# KiCad board ZakladniElektronika.kicad_pcb
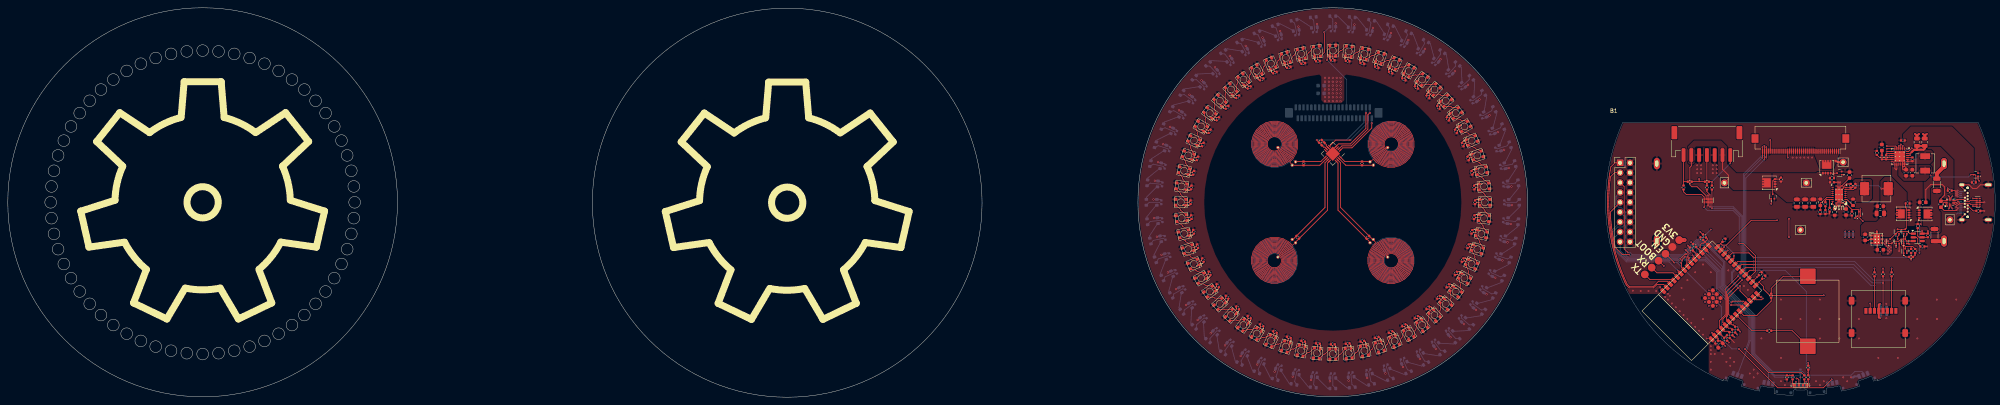
[diagram p0: board, top side]
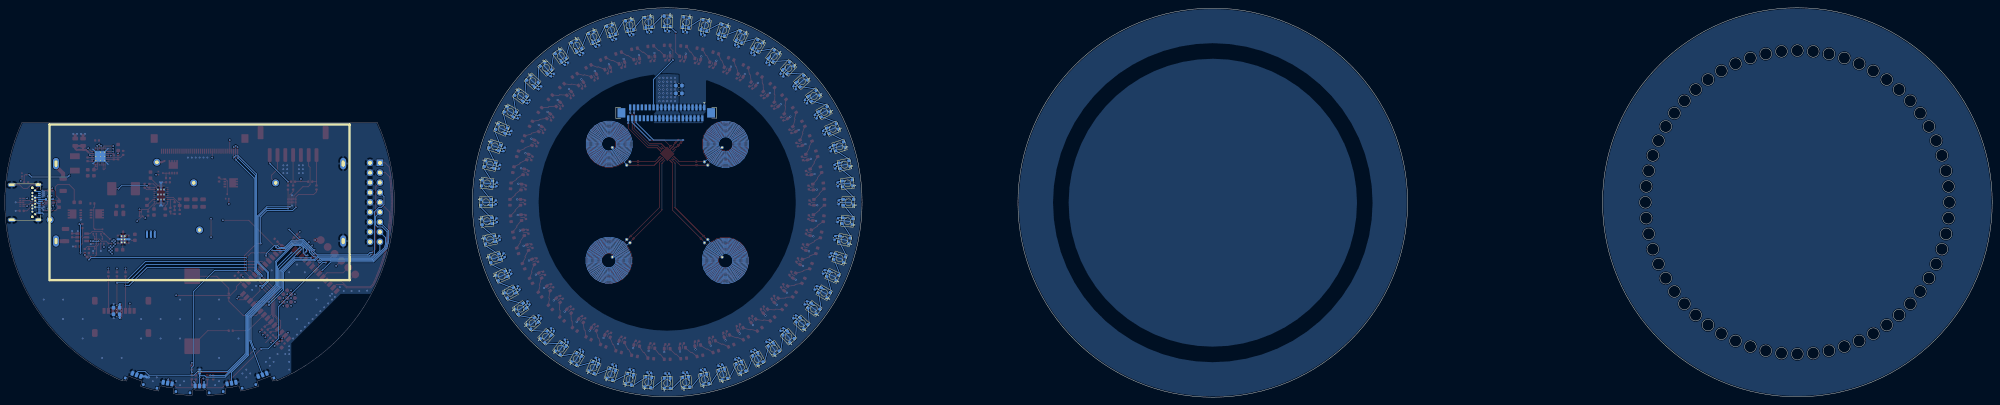
[diagram p1: board, bottom side, seen from below]

Outline 510 x 100.1 mm; copper layers: Top, In1.Cu, In2.Cu, Bottom. Coordinates in mm from the lower left corner of the outline.
Outline path: circle c11,50.1 r1.5 ; circle c11.21,54.18 r1.5 ; circle c11.21,46.02 r1.5 ; circle c11.85,58.21 r1.5 ; circle c11.85,41.99 r1.5 ; circle c12.91,62.15 r1.5 ; circle c12.91,38.05 r1.5 ; circle c14.37,65.96 r1.5 ; circle c14.37,34.24 r1.5 ; circle c16.23,69.6 r1.5 ; circle c16.23,30.6 r1.5 ; circle c18.45,73.02 r1.5 ; circle c18.45,27.18 r1.5 ; circle c21.02,76.2 r1.5 ; circle c21.02,24 r1.5 ; circle c23.9,79.08 r1.5 ; circle c23.9,21.12 r1.5 ; circle c27.08,81.65 r1.5 ; circle c27.08,18.55 r1.5 ; circle c30.5,83.87 r1.5 ; circle c30.5,16.33 r1.5 ; circle c34.14,85.73 r1.5 ; circle c34.14,14.47 r1.5 ; circle c37.95,87.19 r1.5 ; circle c37.95,13.01 r1.5 ; circle c41.89,88.25 r1.5 ; circle c41.89,11.95 r1.5 ; circle c45.92,88.89 r1.5 ; circle c45.92,11.31 r1.5 ; circle c50,89.1 r1.5 ; circle c50,50.1 r50 ; circle c50,11.1 r1.5 ; circle c54.08,88.89 r1.5 ; circle c54.08,11.31 r1.5 ; circle c58.11,88.25 r1.5 ; circle c58.11,11.95 r1.5 ; circle c62.05,87.19 r1.5 ; circle c62.05,13.01 r1.5 ; circle c65.86,85.73 r1.5 ; circle c65.86,14.47 r1.5 ; circle c69.5,83.87 r1.5 ; circle c69.5,16.33 r1.5 ; circle c72.92,81.65 r1.5 ; circle c72.92,18.55 r1.5 ; circle c76.1,79.08 r1.5 ; circle c76.1,21.12 r1.5 ; circle c78.98,76.2 r1.5 ; circle c78.98,24 r1.5 ; circle c81.55,73.02 r1.5 ; circle c81.55,27.18 r1.5 ; circle c83.77,69.6 r1.5 ; circle c83.77,30.6 r1.5 ; circle c85.63,65.96 r1.5 ; circle c85.63,34.24 r1.5 ; circle c87.09,62.15 r1.5 ; circle c87.09,38.05 r1.5 ; circle c88.15,58.21 r1.5 ; circle c88.15,41.99 r1.5 ; circle c88.79,54.18 r1.5 ; circle c88.79,46.02 r1.5 ; circle c89,50.1 r1.5 ; circle c200,50 r50 ; circle c340,50.1 r50 ; 440.22,4.52 440.11,4.23 arc(413.36,32.09) 414.44,70.7 505.56,70.7 arc(506.64,32.09) 479.89,4.23 479.78,4.52 ; 448.43,1.77 arc(447.14,2.1) 445.85,2.47 ; 457,0.5 arc(455.67,0.6) 454.34,0.73 ; 465.66,0.73 arc(464.33,0.6) 463,0.5 ; 474.15,2.47 arc(472.86,2.1) 471.57,1.77
Stack: Top 0.035mm / dielectric 0.1mm FR4 er 4.5 / In1.Cu 0.035mm / dielectric 1.24mm FR4 er 4.5 / In2.Cu 0.035mm / dielectric 0.1mm FR4 er 4.5 / Bottom 0.035mm

## Placement (name value [footprint] x y rotation side)
B1  HlavniDeska  [Board]  414.5 70.7 0 top
B2  LedDeska  [Board]  340 100.1 0 top
BZ1  Buzzer  [ELKS-PIEZO]  461.9 22.1 270 top
C1  10u  [C_0603_1608Metric]  337 80.1 0 bottom
C2  10u  [C_0603_1608Metric]  337 78.1 0 bottom
C3  1u  [C_0402_1005Metric]  336.83 65.77 45 top
C4  100n  [C_0402_1005Metric]  337.5 65.1 45 top
C5  1u  [C_0402_1005Metric]  486.3 66 180 top
C6  47n  [C_0402_1005Metric]  488.75 61.15 90 top
C7  4.7u  [C_0603_1608Metric]  480.9 64.17 90 top
C8  1000p  [C_0402_1005Metric]  332.5 60.1 270 top
C9  1000p  [C_0402_1005Metric]  331 41.1 315 top
C10  1000p  [C_0402_1005Metric]  349 41.1 45 top
C11  1000p  [C_0402_1005Metric]  347.5 60.1 90 top
C12  100n  [C_0402_1005Metric]  340 86.6 0 top
C13  100n  [C_0402_1005Metric]  343.82 86.4 354 top
C14  100n  [C_0402_1005Metric]  347.59 85.8 348 top
C15  100n  [C_0402_1005Metric]  351.28 84.81 342 top
C16  100n  [C_0402_1005Metric]  354.85 83.44 336 top
C17  100n  [C_0402_1005Metric]  358.25 81.71 330 top
C18  100n  [C_0402_1005Metric]  361.45 79.63 324 top
C19  100n  [C_0402_1005Metric]  364.42 77.22 318 top
C20  100n  [C_0402_1005Metric]  367.12 74.52 312 top
C21  100n  [C_0402_1005Metric]  369.53 71.55 306 top
C22  100n  [C_0402_1005Metric]  371.61 68.35 300 top
C23  100n  [C_0402_1005Metric]  373.34 64.95 294 top
C24  100n  [C_0402_1005Metric]  374.71 61.38 288 top
C25  100n  [C_0402_1005Metric]  375.7 57.69 282 top
C26  100n  [C_0402_1005Metric]  376.3 53.92 276 top
C27  100n  [C_0402_1005Metric]  376.5 50.1 270 top
C28  100n  [C_0402_1005Metric]  376.3 46.28 264 top
C29  100n  [C_0402_1005Metric]  375.7 42.51 258 top
C30  100n  [C_0402_1005Metric]  374.71 38.82 252 top
C31  100n  [C_0402_1005Metric]  373.34 35.25 246 top
C32  100n  [C_0402_1005Metric]  371.61 31.85 240 top
C33  100n  [C_0402_1005Metric]  369.53 28.65 234 top
C34  100n  [C_0402_1005Metric]  367.12 25.68 228 top
C35  100n  [C_0402_1005Metric]  364.42 22.98 222 top
C36  100n  [C_0402_1005Metric]  361.45 20.57 216 top
C37  100n  [C_0402_1005Metric]  358.25 18.49 210 top
C38  100n  [C_0402_1005Metric]  354.85 16.76 204 top
C39  100n  [C_0402_1005Metric]  351.28 15.39 198 top
C40  100n  [C_0402_1005Metric]  347.59 14.4 192 top
C41  100n  [C_0402_1005Metric]  343.82 13.8 186 top
C42  100n  [C_0402_1005Metric]  340 13.6 180 top
C43  100n  [C_0402_1005Metric]  336.18 13.8 174 top
C44  100n  [C_0402_1005Metric]  332.41 14.4 168 top
C45  100n  [C_0402_1005Metric]  328.72 15.39 162 top
C46  100n  [C_0402_1005Metric]  325.15 16.76 156 top
C47  100n  [C_0402_1005Metric]  321.75 18.49 150 top
C48  100n  [C_0402_1005Metric]  318.55 20.57 144 top
C49  100n  [C_0402_1005Metric]  315.58 22.98 138 top
C50  100n  [C_0402_1005Metric]  312.88 25.68 132 top
C51  100n  [C_0402_1005Metric]  310.47 28.65 126 top
C52  100n  [C_0402_1005Metric]  308.39 31.85 120 top
C53  100n  [C_0402_1005Metric]  306.66 35.25 114 top
C54  100n  [C_0402_1005Metric]  305.29 38.82 108 top
C55  100n  [C_0402_1005Metric]  304.3 42.51 102 top
C56  100n  [C_0402_1005Metric]  303.7 46.28 96 top
C57  100n  [C_0402_1005Metric]  303.5 50.1 90 top
C58  100n  [C_0402_1005Metric]  303.7 53.92 84 top
C59  100n  [C_0402_1005Metric]  304.3 57.69 78 top
C60  100n  [C_0402_1005Metric]  305.29 61.38 72 top
C61  100n  [C_0402_1005Metric]  306.66 64.95 66 top
C62  100n  [C_0402_1005Metric]  308.39 68.35 60 top
C63  100n  [C_0402_1005Metric]  310.47 71.55 54 top
C64  100n  [C_0402_1005Metric]  312.88 74.52 48 top
C65  100n  [C_0402_1005Metric]  315.58 77.22 42 top
C66  100n  [C_0402_1005Metric]  318.55 79.63 36 top
C67  100n  [C_0402_1005Metric]  321.75 81.71 30 top
C68  100n  [C_0402_1005Metric]  325.15 83.44 24 top
C69  100n  [C_0402_1005Metric]  328.72 84.81 18 top
C70  100n  [C_0402_1005Metric]  332.41 85.8 12 top
C71  100n  [C_0402_1005Metric]  336.18 86.4 6 top
C72  100n  [C_0402_1005Metric]  340 94.1 0 bottom
C73  100n  [C_0402_1005Metric]  344.6 93.86 354 bottom
C74  100n  [C_0402_1005Metric]  349.15 93.14 348 bottom
C75  100n  [C_0402_1005Metric]  353.6 91.95 342 bottom
C76  100n  [C_0402_1005Metric]  357.9 90.3 336 bottom
C77  100n  [C_0402_1005Metric]  362 88.21 330 bottom
C78  100n  [C_0402_1005Metric]  365.86 85.7 324 bottom
C79  100n  [C_0402_1005Metric]  369.44 82.8 318 bottom
C80  100n  [C_0402_1005Metric]  372.7 79.54 312 bottom
C81  100n  [C_0402_1005Metric]  375.6 75.96 306 bottom
C82  100n  [C_0402_1005Metric]  378.11 72.1 300 bottom
C83  100n  [C_0402_1005Metric]  380.2 68 294 bottom
C84  100n  [C_0402_1005Metric]  381.85 63.7 288 bottom
C85  100n  [C_0402_1005Metric]  383.04 59.25 282 bottom
C86  100n  [C_0402_1005Metric]  383.76 54.7 276 bottom
C87  100n  [C_0402_1005Metric]  384 50.1 270 bottom
C88  100n  [C_0402_1005Metric]  383.76 45.5 264 bottom
C89  100n  [C_0402_1005Metric]  383.04 40.95 258 bottom
C90  100n  [C_0402_1005Metric]  381.85 36.5 252 bottom
C91  100n  [C_0402_1005Metric]  380.2 32.2 246 bottom
C92  100n  [C_0402_1005Metric]  378.11 28.1 240 bottom
C93  100n  [C_0402_1005Metric]  375.6 24.24 234 bottom
C94  100n  [C_0402_1005Metric]  372.7 20.66 228 bottom
C95  100n  [C_0402_1005Metric]  369.44 17.4 222 bottom
C96  100n  [C_0402_1005Metric]  365.86 14.5 216 bottom
C97  100n  [C_0402_1005Metric]  362 11.99 210 bottom
C98  100n  [C_0402_1005Metric]  357.9 9.9 204 bottom
C99  100n  [C_0402_1005Metric]  353.6 8.25 198 bottom
C100  100n  [C_0402_1005Metric]  349.15 7.06 192 bottom
C101  100n  [C_0402_1005Metric]  344.6 6.34 186 bottom
C102  100n  [C_0402_1005Metric]  340 6.1 180 bottom
C103  100n  [C_0402_1005Metric]  335.4 6.34 174 bottom
C104  100n  [C_0402_1005Metric]  330.85 7.06 168 bottom
C105  100n  [C_0402_1005Metric]  326.4 8.25 162 bottom
C106  100n  [C_0402_1005Metric]  322.1 9.9 156 bottom
C107  100n  [C_0402_1005Metric]  318 11.99 150 bottom
C108  100n  [C_0402_1005Metric]  314.14 14.5 144 bottom
C109  100n  [C_0402_1005Metric]  310.56 17.4 138 bottom
C110  100n  [C_0402_1005Metric]  307.3 20.66 132 bottom
C111  100n  [C_0402_1005Metric]  304.4 24.24 126 bottom
C112  100n  [C_0402_1005Metric]  301.89 28.1 120 bottom
C113  100n  [C_0402_1005Metric]  299.8 32.2 114 bottom
C114  100n  [C_0402_1005Metric]  298.15 36.5 108 bottom
C115  100n  [C_0402_1005Metric]  296.96 40.95 102 bottom
C116  100n  [C_0402_1005Metric]  296.24 45.5 96 bottom
C117  100n  [C_0402_1005Metric]  296 50.1 90 bottom
C118  100n  [C_0402_1005Metric]  296.24 54.7 84 bottom
C119  100n  [C_0402_1005Metric]  296.96 59.25 78 bottom
C120  100n  [C_0402_1005Metric]  298.15 63.7 72 bottom
C121  100n  [C_0402_1005Metric]  299.8 68 66 bottom
C122  100n  [C_0402_1005Metric]  301.89 72.1 60 bottom
C123  100n  [C_0402_1005Metric]  304.4 75.96 54 bottom
C124  100n  [C_0402_1005Metric]  307.3 79.54 48 bottom
C125  100n  [C_0402_1005Metric]  310.56 82.8 42 bottom
C126  100n  [C_0402_1005Metric]  314.14 85.7 36 bottom
C127  100n  [C_0402_1005Metric]  318 88.21 30 bottom
C128  100n  [C_0402_1005Metric]  322.1 90.3 24 bottom
C129  100n  [C_0402_1005Metric]  326.4 91.95 18 bottom
C130  100n  [C_0402_1005Metric]  330.85 93.14 12 bottom
C131  100n  [C_0402_1005Metric]  335.4 93.86 6 bottom
C132  1u  [C_0402_1005Metric]  434.69 40.75 135 top
C133  1u  [C_0402_1005Metric]  441.49 15.6 315 top
C134  10u  [C_0603_1608Metric]  439.49 13.31 45 top
C135  100n  [C_0402_1005Metric]  438.52 14.15 45 top
C136  10uF  [C_0603_1608Metric]  481.3 23 0 bottom
C137  10uF  [C_0603_1608Metric]  481.3 21.35 0 bottom
C142  22u  [C_0805_2012Metric]  480.5 47.25 180 top
C143  10u  [C_0603_1608Metric]  480.5 49.1 180 top
C144  100n  [C_0402_1005Metric]  492.7 41.6 90 top
C145  4.7u  [C_0603_1608Metric]  476.6 41.1 270 top
C146  100n  [C_0402_1005Metric]  472.9 54.35 90 top
C147  22u  [C_0805_2012Metric]  489.9 65.55 90 top
C148  100n  [C_0402_1005Metric]  474.1 54.35 270 top
C149  1u  [C_0402_1005Metric]  468.1 55.25 0 top
C150  47n  [C_0603_1608Metric]  472.6 57.1 90 top
C151  22u  [C_0805_2012Metric]  491.9 65.55 90 top
C152  10u  [C_0603_1608Metric]  480.5 37.9 180 top
C153  22u  [C_0805_2012Metric]  459.1 49.9 270 top
C154  22u  [C_0805_2012Metric]  461.2 49.9 270 top
C155  4.7u  [C_0603_1608Metric]  471.7 47.6 270 top
C156  22u  [C_0805_2012Metric]  463.3 49.9 270 top
C157  10n  [C_0402_1005Metric]  466.4 47.6 270 top
C158  100p  [C_0402_1005Metric]  467.5 48.2 270 top
C159  10u  [C_0603_1608Metric]  491.4 50.1 0 top
C160  10u  [C_0603_1608Metric]  488.7 57.7 90 top
C161  10u  [C_0603_1608Metric]  487.1 57.7 90 top
C162  10u  [C_0603_1608Metric]  496.05 49.6 90 top
D1  WS2812B  [3528RGBW-WS2812B]  340 89.1 270 top
D2  WS2812B  [3528RGBW-WS2812B]  344.08 88.89 264 top
D3  WS2812B  [3528RGBW-WS2812B#5]  348.11 88.25 258 top
D4  WS2812B  [3528RGBW-WS2812B]  352.05 87.19 252 top
D5  WS2812B  [3528RGBW-WS2812B]  355.86 85.73 246 top
D6  WS2812B  [3528RGBW-WS2812B]  359.5 83.87 240 top
D7  WS2812B  [3528RGBW-WS2812B]  362.92 81.65 234 top
D8  WS2812B  [3528RGBW-WS2812B#2]  366.1 79.08 228 top
D9  WS2812B  [3528RGBW-WS2812B#3]  368.98 76.2 222 top
D10  WS2812B  [3528RGBW-WS2812B]  371.55 73.02 216 top
D11  WS2812B  [3528RGBW-WS2812B]  373.77 69.6 210 top
D12  WS2812B  [3528RGBW-WS2812B]  375.63 65.96 204 top
D13  WS2812B  [3528RGBW-WS2812B]  377.09 62.15 198 top
D14  WS2812B  [3528RGBW-WS2812B#4]  378.15 58.21 192 top
D15  WS2812B  [3528RGBW-WS2812B]  378.79 54.18 186 top
D16  WS2812B  [3528RGBW-WS2812B]  379 50.1 180 top
D17  WS2812B  [3528RGBW-WS2812B]  378.79 46.02 174 top
D18  WS2812B  [3528RGBW-WS2812B#5]  378.15 41.99 168 top
D19  WS2812B  [3528RGBW-WS2812B]  377.09 38.05 162 top
D20  WS2812B  [3528RGBW-WS2812B]  375.63 34.24 156 top
D21  WS2812B  [3528RGBW-WS2812B]  373.77 30.6 150 top
D22  WS2812B  [3528RGBW-WS2812B]  371.55 27.18 144 top
D23  WS2812B  [3528RGBW-WS2812B#2]  368.98 24 138 top
D24  WS2812B  [3528RGBW-WS2812B#3]  366.1 21.12 132 top
D25  WS2812B  [3528RGBW-WS2812B]  362.92 18.55 126 top
D26  WS2812B  [3528RGBW-WS2812B]  359.5 16.33 120 top
D27  WS2812B  [3528RGBW-WS2812B]  355.86 14.47 114 top
D28  WS2812B  [3528RGBW-WS2812B]  352.05 13.01 108 top
D29  WS2812B  [3528RGBW-WS2812B#4]  348.11 11.95 102 top
D30  WS2812B  [3528RGBW-WS2812B]  344.08 11.31 96 top
D31  WS2812B  [3528RGBW-WS2812B]  340 11.1 90 top
D32  WS2812B  [3528RGBW-WS2812B]  335.92 11.31 84 top
D33  WS2812B  [3528RGBW-WS2812B#5]  331.89 11.95 78 top
D34  WS2812B  [3528RGBW-WS2812B]  327.95 13.01 72 top
D35  WS2812B  [3528RGBW-WS2812B]  324.14 14.47 66 top
D36  WS2812B  [3528RGBW-WS2812B]  320.5 16.33 60 top
D37  WS2812B  [3528RGBW-WS2812B]  317.08 18.55 54 top
D38  WS2812B  [3528RGBW-WS2812B#2]  313.9 21.12 48 top
D39  WS2812B  [3528RGBW-WS2812B#3]  311.02 24 42 top
D40  WS2812B  [3528RGBW-WS2812B]  308.45 27.18 36 top
D41  WS2812B  [3528RGBW-WS2812B]  306.23 30.6 30 top
D42  WS2812B  [3528RGBW-WS2812B]  304.37 34.24 24 top
D43  WS2812B  [3528RGBW-WS2812B]  302.91 38.05 18 top
D44  WS2812B  [3528RGBW-WS2812B#4]  301.85 41.99 12 top
D45  WS2812B  [3528RGBW-WS2812B]  301.21 46.02 6 top
D46  WS2812B  [3528RGBW-WS2812B]  301 50.1 0 top
D47  WS2812B  [3528RGBW-WS2812B]  301.21 54.18 354 top
D48  WS2812B  [3528RGBW-WS2812B#5]  301.85 58.21 348 top
D49  WS2812B  [3528RGBW-WS2812B]  302.91 62.15 342 top
D50  WS2812B  [3528RGBW-WS2812B]  304.37 65.96 336 top
D51  WS2812B  [3528RGBW-WS2812B]  306.23 69.6 330 top
D52  WS2812B  [3528RGBW-WS2812B]  308.45 73.02 324 top
D53  WS2812B  [3528RGBW-WS2812B#2]  311.02 76.2 318 top
D54  WS2812B  [3528RGBW-WS2812B#3]  313.9 79.08 312 top
D55  WS2812B  [3528RGBW-WS2812B]  317.08 81.65 306 top
D56  WS2812B  [3528RGBW-WS2812B]  320.5 83.87 300 top
D57  WS2812B  [3528RGBW-WS2812B]  324.14 85.73 294 top
D58  WS2812B  [3528RGBW-WS2812B]  327.95 87.19 288 top
D59  WS2812B  [3528RGBW-WS2812B#4]  331.89 88.25 282 top
D60  WS2812B  [3528RGBW-WS2812B]  335.92 88.89 276 top
D61  WS2812B  [3528RGBW-WS2812B]  340 96.6 90 bottom
D62  WS2812B  [3528RGBW-WS2812B]  344.86 96.35 84 bottom
D63  WS2812B  [3528RGBW-WS2812B#4]  349.67 95.58 78 bottom
D64  WS2812B  [3528RGBW-WS2812B]  354.37 94.32 72 bottom
D65  WS2812B  [3528RGBW-WS2812B]  358.91 92.58 66 bottom
D66  WS2812B  [3528RGBW-WS2812B]  363.25 90.37 60 bottom
D67  WS2812B  [3528RGBW-WS2812B]  367.33 87.72 54 bottom
D68  WS2812B  [3528RGBW-WS2812B#3]  371.11 84.66 48 bottom
D69  WS2812B  [3528RGBW-WS2812B#2]  374.56 81.21 42 bottom
D70  WS2812B  [3528RGBW-WS2812B]  377.62 77.43 36 bottom
D71  WS2812B  [3528RGBW-WS2812B]  380.27 73.35 30 bottom
D72  WS2812B  [3528RGBW-WS2812B]  382.48 69.01 24 bottom
D73  WS2812B  [3528RGBW-WS2812B]  384.22 64.47 18 bottom
D74  WS2812B  [3528RGBW-WS2812B#5]  385.48 59.77 12 bottom
D75  WS2812B  [3528RGBW-WS2812B]  386.25 54.96 6 bottom
D76  WS2812B  [3528RGBW-WS2812B]  386.5 50.1 0 bottom
D77  WS2812B  [3528RGBW-WS2812B]  386.25 45.24 354 bottom
D78  WS2812B  [3528RGBW-WS2812B#4]  385.48 40.43 348 bottom
D79  WS2812B  [3528RGBW-WS2812B]  384.22 35.73 342 bottom
D80  WS2812B  [3528RGBW-WS2812B]  382.48 31.19 336 bottom
D81  WS2812B  [3528RGBW-WS2812B]  380.27 26.85 330 bottom
D82  WS2812B  [3528RGBW-WS2812B]  377.62 22.77 324 bottom
D83  WS2812B  [3528RGBW-WS2812B#3]  374.56 18.99 318 bottom
D84  WS2812B  [3528RGBW-WS2812B#2]  371.11 15.54 312 bottom
D85  WS2812B  [3528RGBW-WS2812B]  367.33 12.48 306 bottom
D86  WS2812B  [3528RGBW-WS2812B]  363.25 9.83 300 bottom
D87  WS2812B  [3528RGBW-WS2812B]  358.91 7.62 294 bottom
D88  WS2812B  [3528RGBW-WS2812B]  354.37 5.88 288 bottom
D89  WS2812B  [3528RGBW-WS2812B#5]  349.67 4.62 282 bottom
D90  WS2812B  [3528RGBW-WS2812B]  344.86 3.85 276 bottom
D91  WS2812B  [3528RGBW-WS2812B]  340 3.6 270 bottom
D92  WS2812B  [3528RGBW-WS2812B]  335.14 3.85 264 bottom
D93  WS2812B  [3528RGBW-WS2812B#4]  330.33 4.62 258 bottom
D94  WS2812B  [3528RGBW-WS2812B]  325.63 5.88 252 bottom
D95  WS2812B  [3528RGBW-WS2812B]  321.09 7.62 246 bottom
D96  WS2812B  [3528RGBW-WS2812B]  316.75 9.83 240 bottom
D97  WS2812B  [3528RGBW-WS2812B]  312.67 12.48 234 bottom
D98  WS2812B  [3528RGBW-WS2812B#3]  308.89 15.54 228 bottom
D99  WS2812B  [3528RGBW-WS2812B#2]  305.44 18.99 222 bottom
D100  WS2812B  [3528RGBW-WS2812B]  302.38 22.77 216 bottom
D101  WS2812B  [3528RGBW-WS2812B]  299.73 26.85 210 bottom
D102  WS2812B  [3528RGBW-WS2812B]  297.52 31.19 204 bottom
D103  WS2812B  [3528RGBW-WS2812B]  295.78 35.73 198 bottom
D104  WS2812B  [3528RGBW-WS2812B#5]  294.52 40.43 192 bottom
D105  WS2812B  [3528RGBW-WS2812B]  293.75 45.24 186 bottom
D106  WS2812B  [3528RGBW-WS2812B]  293.5 50.1 180 bottom
D107  WS2812B  [3528RGBW-WS2812B]  293.75 54.96 174 bottom
D108  WS2812B  [3528RGBW-WS2812B#4]  294.52 59.77 168 bottom
D109  WS2812B  [3528RGBW-WS2812B]  295.78 64.47 162 bottom
D110  WS2812B  [3528RGBW-WS2812B]  297.52 69.01 156 bottom
D111  WS2812B  [3528RGBW-WS2812B]  299.73 73.35 150 bottom
D112  WS2812B  [3528RGBW-WS2812B]  302.38 77.43 144 bottom
D113  WS2812B  [3528RGBW-WS2812B#3]  305.44 81.21 138 bottom
D114  WS2812B  [3528RGBW-WS2812B#2]  308.89 84.66 132 bottom
D115  WS2812B  [3528RGBW-WS2812B]  312.67 87.72 126 bottom
D116  WS2812B  [3528RGBW-WS2812B]  316.75 90.37 120 bottom
D117  WS2812B  [3528RGBW-WS2812B]  321.09 92.58 114 bottom
D118  WS2812B  [3528RGBW-WS2812B]  325.63 94.32 108 bottom
D119  WS2812B  [3528RGBW-WS2812B#5]  330.33 95.58 102 bottom
D120  WS2812B  [3528RGBW-WS2812B]  335.14 96.35 96 bottom
D122  D_Dual_CommonCathode_AAK_Parallel  [SOT-723]  475 47.1 90 top
D125  LED_ARGB  [XL-3806RGBC-4L]  460 3.1 0 top
F1  3A-6A  [L_1206_3216Metric]  495 54.6 90 top
F2  3A-6A  [L_1206_3216Metric]  494.4 41.67 270 top
J1  Conn_02x09_Counter_Clockwise  [PinHeader_2x09_P2.54mm_Vertical]  413.73 60.26 0 top
J2  USB_C_Receptacle_USB2.0  [USB31-TYPEC-33141-2FS]  501.1 50.1 270 bottom
J4  Conn_01x07  [JST_PH_S7B-PH-SM4-TB_1x07-1MP_P2.00mm_Horizontal]  436 65.1 180 top
J5  Micro_SD_Card  [microSD_HC_Molex_47219-2001]  480 20.1 0 top
J7  -  [ESP-Programing_conector]  428.9 40.4 225 top
J10  Conn_01x40  [AFC11-S40ICC-00]  340 73.1 270 bottom
J11  Conn_01x40  [Hirose_FH12-40S-0.5SH_1x40-1MP_P0.50mm_Horizontal]  460 65.1 180 top
L1  5.738 µH  [PCB_coil]  325 65.1 135 top
L2  5.738 µH  [PCB_coil]  325 35.1 225 top
L3  5.738 µH  [PCB_coil]  355 35.1 315 top
L4  5.738 µH  [PCB_coil]  355 65.1 45 top
L5  1.2u  [L_Abracon_ASPI-0630LR]  479.5 53.6 180 top
L6  0.47u  [L_Sunlord_MWSA0402S]  492 60.1 270 top
Q1  NMOS  [SOT-723]  452.9 51.6 90 top
Q2  NMOS  [SOT-723]  470 57.6 180 top
Q4  NMOS  [SOT-723]  483 40.1 90 top
Q5  NMOS  [SOT-723]  484.9 42.6 90 top
Q6  NMOS  [SOT-723]  486.9 42.6 90 top
Q7  NMOS  [SOT-723]  486.9 40.1 90 top
Q8  NMOS  [SOT-723]  486.9 37.6 90 top
Q9  NMOS  [SOT-723]  505 57.2 180 top
Q28  NMOS  [SOT-723]  484.95 40.1 90 top
R1  10k  [R_0402_1005Metric]  455 55.96 90 top
R2  10k  [R_0402_1005Metric]  498.3 53.1 180 top
R3  5.1k  [R_0402_1005Metric]  505.65 47.9 0 top
R4  5.1k  [R_0402_1005Metric]  498.9 50.85 180 bottom
R5  1k  [R_0402_1005Metric]  461 5.1 90 top
R6  10k  [R_0402_1005Metric]  449.69 31.75 45 top
R7  10k  [R_0402_1005Metric]  440.39 40.35 45 top
R8  10k  [R_0402_1005Metric]  450.59 30.85 45 top
R9  10k  [R_0402_1005Metric]  435.39 41.45 315 top
R10  10k  [R_0402_1005Metric]  440.8 14.89 135 top
R11  1k  [R_0402_1005Metric]  458 5.1 90 top
R12  10k  [R_0402_1005Metric]  456.5 5.1 270 top
R13  10k  [R_0402_1005Metric]  462 7.6 270 top
R14  330  [R_0402_1005Metric]  452 17.1 0 top
R15  330  [R_0402_1005Metric]  452.5 26.1 90 top
R16  10k  [R_0402_1005Metric]  432.84 39 315 top
R17  10k  [R_0402_1005Metric]  432 38.1 315 top
R19  150  [R_0402_1005Metric]  479.6 62.8 90 top
R20  56k  [R_0402_1005Metric]  480.9 61.65 270 top
R21  100k  [R_0402_1005Metric]  482 61.65 270 top
R26  470  [R_0402_1005Metric]  490.1 44 270 top
R28  1k  [R_0402_1005Metric]  462 5.11 90 top
R29  200  [R_0402_1005Metric]  437.3 53.89 270 top
R30  200  [R_0402_1005Metric]  436 53.9 270 top
R32  10k  [R_0402_1005Metric]  468.1 56.3 0 top
R34  2k  [R_0402_1005Metric]  491.3 38.75 180 top
R35  10k  [R_0402_1005Metric]  483.4 31.59 270 top
R36  10k  [R_0402_1005Metric]  481.2 31.6 270 top
R37  4.7k  [R_0402_1005Metric]  442.89 17 135 top
R38  4.7k  [R_0402_1005Metric]  442.19 16.3 135 top
R39  4.7k  [R_0402_1005Metric]  443.64 17.75 135 top
R40  100k  [R_0402_1005Metric]  487.5 49.8 180 top
R41  10k  [R_0402_1005Metric]  479 31.59 270 top
R45  4.7k  [R_0402_1005Metric]  431.6 55.4 0 top
R47  200k  [R_0402_1005Metric]  473.2 47.2 90 top
R48  4.7k  [R_0402_1005Metric]  436 55.4 180 top
R49  200  [R_0402_1005Metric]  430 53.9 270 top
R50  17.4k  [R_0402_1005Metric]  488.4 36.05 0 top
R51  10k  [R_0402_1005Metric]  489.45 37.6 90 top
R52  200  [R_0402_1005Metric]  488.4 37.6 270 top
R53  200k  [R_0402_1005Metric]  504.5 55.2 0 top
R54  150k  [R_0603_1608Metric]  473.5 50.1 270 top
R55  150k  [R_0603_1608Metric]  468.8 47.6 270 top
R56  3.92k  [R_0402_1005Metric]  466.4 49.6 270 top
R57  56k  [R_0603_1608Metric]  465.1 50.1 270 top
R58  17.4k  [R_0402_1005Metric]  465.1 47.6 90 top
R79  10k  [R_0402_1005Metric]  460 6.6 90 bottom
SW1  SW_Push  [TCF2QR]  443.04 3.49 160 bottom
SW2  SW_Push  [TCF2QR]  476.96 3.49 200 bottom
SW3  ON  [TCF2QR]  460 0.5 180 bottom
SW4  BOOT  [TCF2QR]  451.39 1.25 170 bottom
SW5  EN  [TCF2QR]  468.61 1.25 190 bottom
TP1  TestPoint-5V_A  [Pin_D0.9mm_L10.0mm_W2.4mm_FlatFork]  498.35 45.6 90 top
TP8  TestPoint-5V_EN  [Pin_D0.9mm_L10.0mm_W2.4mm_FlatFork]  460 43 180 top
TP9  TestPoint-5V  [Pin_D0.9mm_L10.0mm_W2.4mm_FlatFork]  461.5 55.1 180 top
TP10  TestPoint-5V_B  [Pin_D0.9mm_L10.0mm_W2.4mm_FlatFork]  470.95 60.4 180 top
TP11  TestPoint-5V_A  [Pin_D0.9mm_L10.0mm_W2.4mm_FlatFork]  440.5 55.1 90 top
U1  LDC1614  [WQFN-16-1EP_4x4mm_P0.5mm_EP2.6x2.6mm]  340 62.6 225 top
U2  BL1530TQFN  [UQFN-10_1.4x1.8mm_P0.4mm]  498.4 50.1 90 top
U3  BQ25895M  [Texas_RTW_WQFN-24-1EP_4x4mm_P0.5mm_EP2.7x2.7mm_ThermalVias]  485.5 61.9 270 top
U5  TPD4E02B04DQA  [USON-10_2.5x1.0mm_P0.5mm]  436.3 50.5 270 top
U7  WSD20L75DN33  [Diodes_PowerDI3333-8]  492 47.1 0 top
U8  WSD20L75DN33  [Diodes_PowerDI3333-8]  486.36 47.13 180 top
U9  WSD20L75DN33  [Diodes_PowerDI3333-8]  452 55.1 180 top
U10  NCP708  [UDFN6-3x3mm]  479.6 40.6 90 top
U11  -  [ESP32-S3-WROOM]  431 21.1 135 top
U12  SL8261D-G3JE  [SOT-23-6]  490.1 41.1 0 top
U13  TPD4E02B04DQA  [USON-10_2.5x1.0mm_P0.5mm]  505.62 50.1 0 top
U14  BateriCell_2x  [battery_dock]  460 50.1 0 bottom
U15  WSD20L75DN33  [Diodes_PowerDI3333-8]  466.75 59.1 90 top
U16  TPS61088RHLR  [RHL0020A]  469.9 52.1 180 top
